# Altium PCB PCB1.PcbDoc (part 11 of 15) (continued)
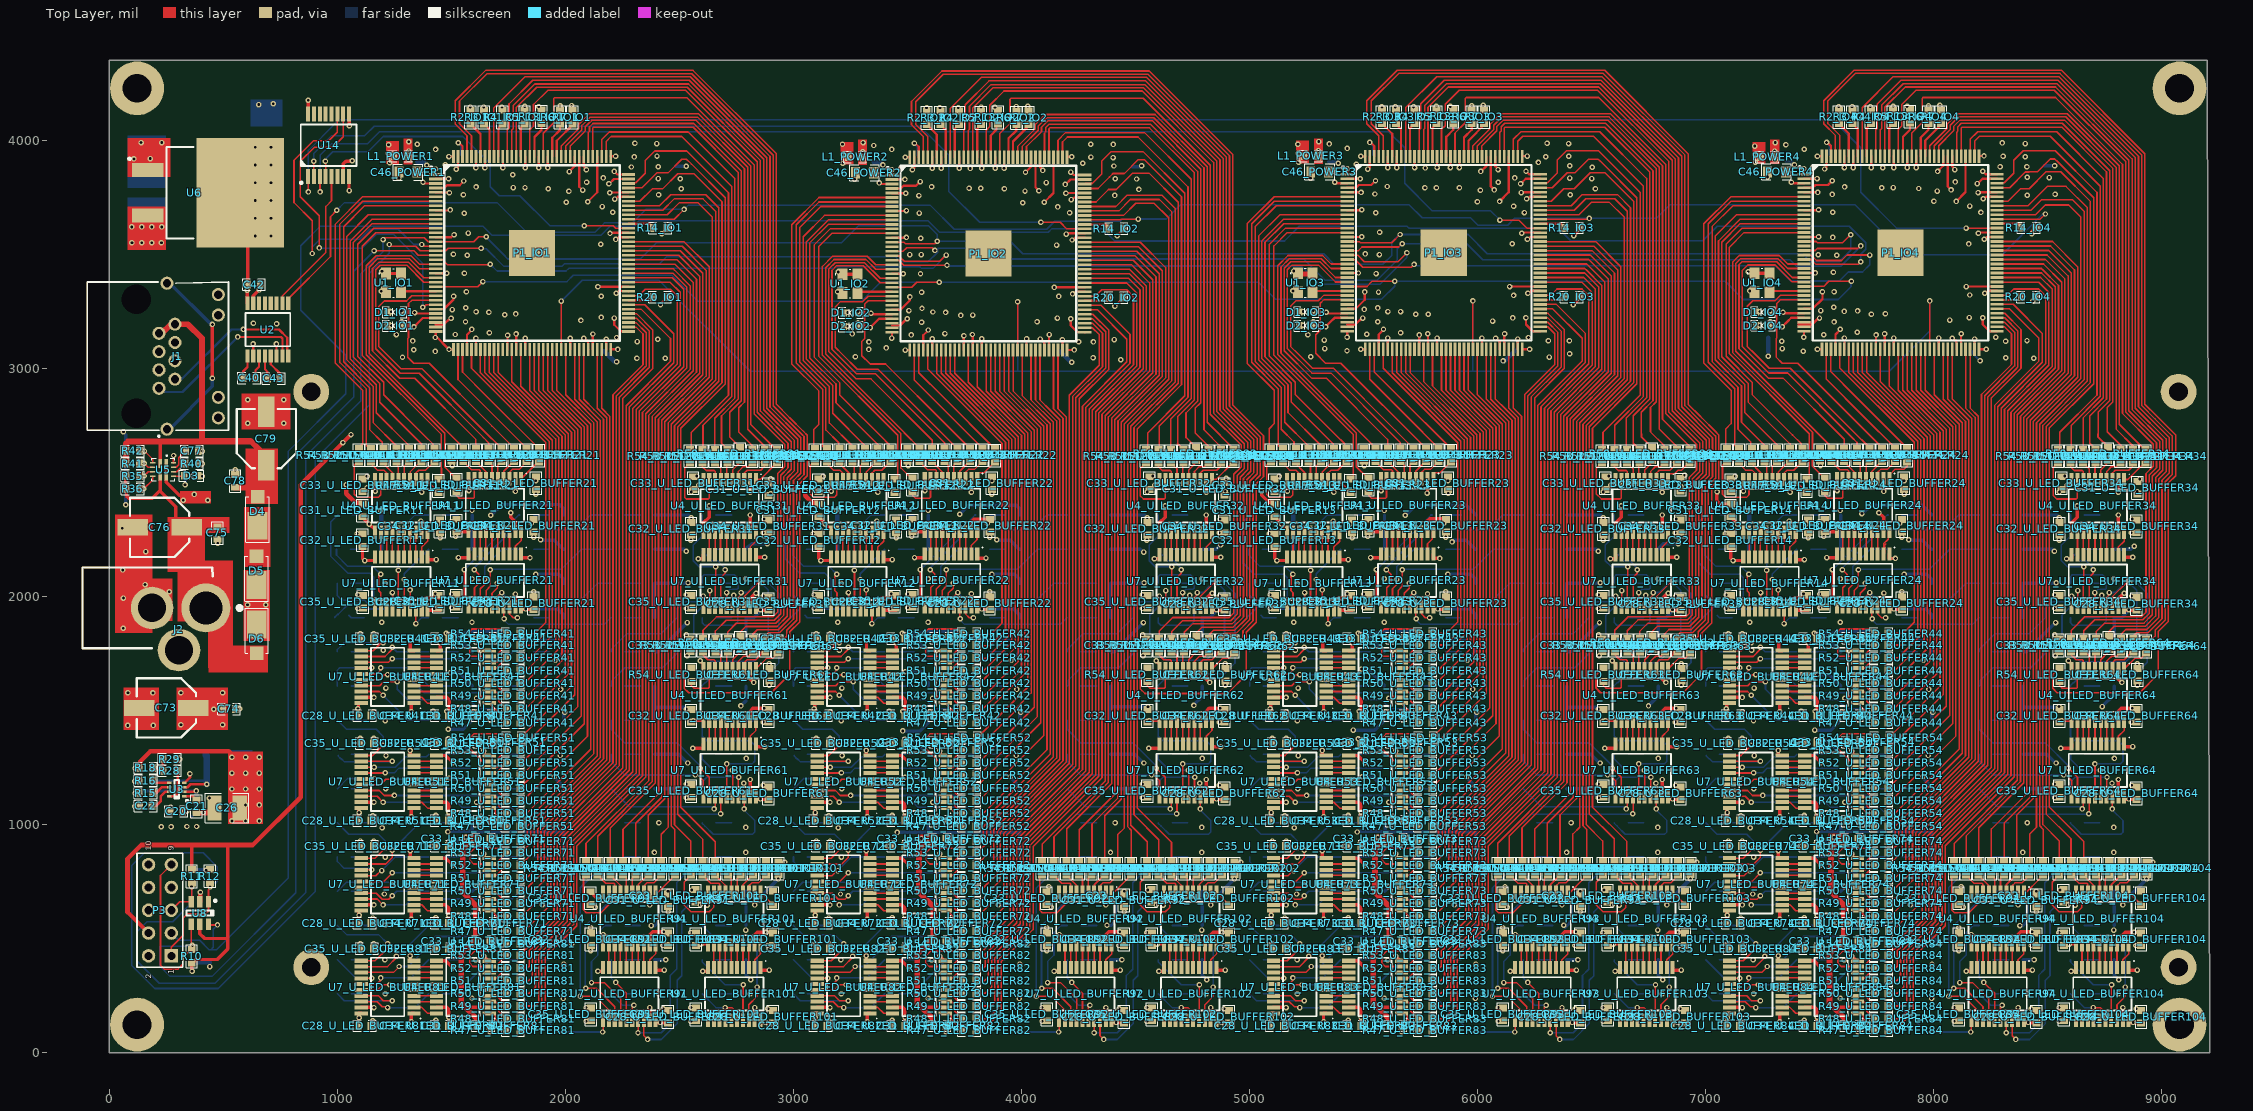
[diagram p0: Top Layer view]
## Nets (pads, with @x,y where several pads share a name; then routed paths per layer and width w, separated by ;. In a path a pad name is that pad's centre, name@x,y a point inside that pad or via, vN(x,y) a via of type N, cw(c..) or ccw(c..) an arc to the next point about the centre after c; other vN are vias at no path point) (continued)
  Top Layer w7: U4_U_LED_BUFFER73.9@5666.3,826.73 5597.61,826.73 5583.44,840.9 5583.44,878.16 5600.34,895.06 5632.5,895.06 5651.14,895.06 5708.52,895.06 5726.63,913.16 5729.13,913.16 5740.63,924.66 R54_U_LED_BUFFER73.1@5740.63,927.16
NetR54_U_LED_BUFFER74_1: R54_U_LED_BUFFER74.1 U4_U_LED_BUFFER74.9 | length 304.9
  Top Layer w7: U4_U_LED_BUFFER74.9@7666.3,826.73 7597.61,826.73 7583.44,840.9 7583.44,878.16 7600.34,895.06 7632.5,895.06 7651.14,895.06 7708.52,895.06 7726.63,913.16 7729.13,913.16 7740.63,924.66 R54_U_LED_BUFFER74.1@7740.63,927.16
NetR54_U_LED_BUFFER81_1: R54_U_LED_BUFFER81.1 U4_U_LED_BUFFER81.9 | length 306.9
  Top Layer w7: U4_U_LED_BUFFER81.9@1666.3,376.73 1665.87,377.16 1594.97,377.16 1581.13,391.01 1581.13,423.65 1602.54,445.06 1708.52,445.06 1726.63,463.16 1729.13,463.16 1740.63,474.66 R54_U_LED_BUFFER81.1@1740.63,477.16
NetR54_U_LED_BUFFER82_1: R54_U_LED_BUFFER82.1 U4_U_LED_BUFFER82.9 | length 306.9
  Top Layer w7: U4_U_LED_BUFFER82.9@3666.3,376.73 3665.87,377.16 3594.97,377.16 3581.13,391.01 3581.13,423.65 3602.54,445.06 3708.52,445.06 3726.63,463.16 3729.13,463.16 3740.63,474.66 R54_U_LED_BUFFER82.1@3740.63,477.16
NetR54_U_LED_BUFFER83_1: R54_U_LED_BUFFER83.1 U4_U_LED_BUFFER83.9 | length 306.9
  Top Layer w7: U4_U_LED_BUFFER83.9@5666.3,376.73 5665.87,377.16 5594.97,377.16 5581.13,391.01 5581.13,423.65 5602.54,445.06 5708.52,445.06 5726.63,463.16 5729.13,463.16 5740.63,474.66 R54_U_LED_BUFFER83.1@5740.63,477.16
NetR54_U_LED_BUFFER84_1: R54_U_LED_BUFFER84.1 U4_U_LED_BUFFER84.9 | length 306.9
  Top Layer w7: U4_U_LED_BUFFER84.9@7666.3,376.73 7665.87,377.16 7594.97,377.16 7581.13,391.01 7581.13,423.65 7602.54,445.06 7708.52,445.06 7726.63,463.16 7729.13,463.16 7740.63,474.66 R54_U_LED_BUFFER84.1@7740.63,477.16
NetR54_U_LED_BUFFER91_1: R54_U_LED_BUFFER91.1 U4_U_LED_BUFFER91.9 | length 342
  Top Layer w7: R54_U_LED_BUFFER91.1@2090.63,777.16 2079.68,766.22 2079.68,721.34 2079.68,625.19 2091.76,613.11 2155.95,613.11 2190.63,647.8 2190.63,702.4 U4_U_LED_BUFFER91.9@2191.06,702.83
NetR54_U_LED_BUFFER92_1: R54_U_LED_BUFFER92.1 U4_U_LED_BUFFER92.9 | length 342
  Top Layer w7: R54_U_LED_BUFFER92.1@4090.63,777.16 4079.68,766.22 4079.68,721.34 4079.68,625.19 4091.76,613.11 4155.95,613.11 4190.63,647.8 4190.63,702.4 U4_U_LED_BUFFER92.9@4191.06,702.83
NetR54_U_LED_BUFFER93_1: R54_U_LED_BUFFER93.1 U4_U_LED_BUFFER93.9 | length 342
  Top Layer w7: R54_U_LED_BUFFER93.1@6090.63,777.16 6079.68,766.22 6079.68,721.34 6079.68,625.19 6091.76,613.11 6155.95,613.11 6190.63,647.8 6190.63,702.4 U4_U_LED_BUFFER93.9@6191.06,702.83
NetR54_U_LED_BUFFER94_1: R54_U_LED_BUFFER94.1 U4_U_LED_BUFFER94.9 | length 342
  Top Layer w7: R54_U_LED_BUFFER94.1@8090.63,777.16 8079.68,766.22 8079.68,721.34 8079.68,625.19 8091.76,613.11 8155.95,613.11 8190.63,647.8 8190.63,702.4 U4_U_LED_BUFFER94.9@8191.06,702.83
NetR54_U_LED_BUFFER101_1: R54_U_LED_BUFFER101.1 U4_U_LED_BUFFER101.9 | length 359.5
  Top Layer w7: R54_U_LED_BUFFER101.1@2550.63,777.16 2520.63,747.16 2520.63,647.16 2550.63,617.16 2630.92,617.16 2650.1,636.35 2650.63,636.35 2650.63,702.4 U4_U_LED_BUFFER101.9@2651.06,702.83
NetR54_U_LED_BUFFER102_1: R54_U_LED_BUFFER102.1 U4_U_LED_BUFFER102.9 | length 359.5
  Top Layer w7: R54_U_LED_BUFFER102.1@4550.63,777.16 4520.63,747.16 4520.63,647.16 4550.63,617.16 4630.92,617.16 4650.1,636.35 4650.63,636.35 4650.63,702.4 U4_U_LED_BUFFER102.9@4651.06,702.83
NetR54_U_LED_BUFFER103_1: R54_U_LED_BUFFER103.1 U4_U_LED_BUFFER103.9 | length 359.5
  Top Layer w7: R54_U_LED_BUFFER103.1@6550.63,777.16 6520.63,747.16 6520.63,647.16 6550.63,617.16 6630.92,617.16 6650.1,636.35 6650.63,636.35 6650.63,702.4 U4_U_LED_BUFFER103.9@6651.06,702.83
NetR54_U_LED_BUFFER104_1: R54_U_LED_BUFFER104.1 U4_U_LED_BUFFER104.9 | length 359.5
  Top Layer w7: R54_U_LED_BUFFER104.1@8550.63,777.16 8520.63,747.16 8520.63,647.16 8550.63,617.16 8630.92,617.16 8650.1,636.35 8650.63,636.35 8650.63,702.4 U4_U_LED_BUFFER104.9@8651.06,702.83
NetU4_U_LED_BUFFER11_12: U4_U_LED_BUFFER11.12 U7_U_LED_BUFFER11.9 | length 98.7
  Top Layer w7: U7_U_LED_BUFFER11.9@1191.06,2182.83 U4_U_LED_BUFFER11.12@1191.06,2281.5
NetU4_U_LED_BUFFER11_13: U4_U_LED_BUFFER11.13 U7_U_LED_BUFFER11.8 | length 98.7
  Top Layer w7: U7_U_LED_BUFFER11.8@1216.66,2182.83 U4_U_LED_BUFFER11.13@1216.66,2281.5
NetU4_U_LED_BUFFER11_14: U4_U_LED_BUFFER11.14 U7_U_LED_BUFFER11.7 | length 98.7
  Top Layer w7: U7_U_LED_BUFFER11.7@1240.63,2178.5 U4_U_LED_BUFFER11.14@1240.63,2277.16
NetU4_U_LED_BUFFER11_15: U4_U_LED_BUFFER11.15 U7_U_LED_BUFFER11.6 | length 98.7
  Top Layer w7: U7_U_LED_BUFFER11.6@1267.84,2182.83 U4_U_LED_BUFFER11.15@1267.84,2281.5
NetU4_U_LED_BUFFER11_16: U4_U_LED_BUFFER11.16 U7_U_LED_BUFFER11.5 | length 98.7
  Top Layer w7: U7_U_LED_BUFFER11.5@1293.43,2182.83 U4_U_LED_BUFFER11.16@1293.43,2281.5
NetU4_U_LED_BUFFER11_17: U4_U_LED_BUFFER11.17 U7_U_LED_BUFFER11.4 | length 98.7
  Top Layer w7: U7_U_LED_BUFFER11.4@1319.02,2182.83 U4_U_LED_BUFFER11.17@1319.02,2281.5
NetU4_U_LED_BUFFER11_18: U4_U_LED_BUFFER11.18 U7_U_LED_BUFFER11.3 | length 98.7
  Top Layer w7: U7_U_LED_BUFFER11.3@1344.61,2182.83 U4_U_LED_BUFFER11.18@1344.61,2281.5
NetU4_U_LED_BUFFER11_20: U4_U_LED_BUFFER11.20 U7_U_LED_BUFFER11.2 | length 109.3
  Top Layer w7: U7_U_LED_BUFFER11.2@1370.2,2182.83 1370.2,2216.73 1395.79,2242.32 U4_U_LED_BUFFER11.20@1395.79,2281.5
NetU4_U_LED_BUFFER12_12: U4_U_LED_BUFFER12.12 U7_U_LED_BUFFER12.9 | length 98.7
  Top Layer w7: U7_U_LED_BUFFER12.9@3191.06,2182.83 U4_U_LED_BUFFER12.12@3191.06,2281.5
NetU4_U_LED_BUFFER12_13: U4_U_LED_BUFFER12.13 U7_U_LED_BUFFER12.8 | length 98.7
  Top Layer w7: U7_U_LED_BUFFER12.8@3216.66,2182.83 U4_U_LED_BUFFER12.13@3216.66,2281.5
NetU4_U_LED_BUFFER12_14: U4_U_LED_BUFFER12.14 U7_U_LED_BUFFER12.7 | length 98.7
  Top Layer w7: U7_U_LED_BUFFER12.7@3240.63,2178.5 U4_U_LED_BUFFER12.14@3240.63,2277.16
NetU4_U_LED_BUFFER12_15: U4_U_LED_BUFFER12.15 U7_U_LED_BUFFER12.6 | length 98.7
  Top Layer w7: U7_U_LED_BUFFER12.6@3267.84,2182.83 U4_U_LED_BUFFER12.15@3267.84,2281.5
NetU4_U_LED_BUFFER12_16: U4_U_LED_BUFFER12.16 U7_U_LED_BUFFER12.5 | length 98.7
  Top Layer w7: U7_U_LED_BUFFER12.5@3293.43,2182.83 U4_U_LED_BUFFER12.16@3293.43,2281.5
NetU4_U_LED_BUFFER12_17: U4_U_LED_BUFFER12.17 U7_U_LED_BUFFER12.4 | length 98.7
  Top Layer w7: U7_U_LED_BUFFER12.4@3319.02,2182.83 U4_U_LED_BUFFER12.17@3319.02,2281.5
NetU4_U_LED_BUFFER12_18: U4_U_LED_BUFFER12.18 U7_U_LED_BUFFER12.3 | length 98.7
  Top Layer w7: U7_U_LED_BUFFER12.3@3344.61,2182.83 U4_U_LED_BUFFER12.18@3344.61,2281.5
NetU4_U_LED_BUFFER12_20: U4_U_LED_BUFFER12.20 U7_U_LED_BUFFER12.2 | length 109.3
  Top Layer w7: U7_U_LED_BUFFER12.2@3370.2,2182.83 3370.2,2216.73 3395.79,2242.32 U4_U_LED_BUFFER12.20@3395.79,2281.5
NetU4_U_LED_BUFFER13_12: U4_U_LED_BUFFER13.12 U7_U_LED_BUFFER13.9 | length 98.7
  Top Layer w7: U7_U_LED_BUFFER13.9@5191.06,2182.83 U4_U_LED_BUFFER13.12@5191.06,2281.5
NetU4_U_LED_BUFFER13_13: U4_U_LED_BUFFER13.13 U7_U_LED_BUFFER13.8 | length 98.7
  Top Layer w7: U7_U_LED_BUFFER13.8@5216.66,2182.83 U4_U_LED_BUFFER13.13@5216.66,2281.5
NetU4_U_LED_BUFFER13_14: U4_U_LED_BUFFER13.14 U7_U_LED_BUFFER13.7 | length 98.7
  Top Layer w7: U7_U_LED_BUFFER13.7@5240.63,2178.5 U4_U_LED_BUFFER13.14@5240.63,2277.16
NetU4_U_LED_BUFFER13_15: U4_U_LED_BUFFER13.15 U7_U_LED_BUFFER13.6 | length 98.7
  Top Layer w7: U7_U_LED_BUFFER13.6@5267.84,2182.83 U4_U_LED_BUFFER13.15@5267.84,2281.5
NetU4_U_LED_BUFFER13_16: U4_U_LED_BUFFER13.16 U7_U_LED_BUFFER13.5 | length 98.7
  Top Layer w7: U7_U_LED_BUFFER13.5@5293.43,2182.83 U4_U_LED_BUFFER13.16@5293.43,2281.5
NetU4_U_LED_BUFFER13_17: U4_U_LED_BUFFER13.17 U7_U_LED_BUFFER13.4 | length 98.7
  Top Layer w7: U7_U_LED_BUFFER13.4@5319.02,2182.83 U4_U_LED_BUFFER13.17@5319.02,2281.5
NetU4_U_LED_BUFFER13_18: U4_U_LED_BUFFER13.18 U7_U_LED_BUFFER13.3 | length 98.7
  Top Layer w7: U7_U_LED_BUFFER13.3@5344.61,2182.83 U4_U_LED_BUFFER13.18@5344.61,2281.5
NetU4_U_LED_BUFFER13_20: U4_U_LED_BUFFER13.20 U7_U_LED_BUFFER13.2 | length 109.3
  Top Layer w7: U7_U_LED_BUFFER13.2@5370.2,2182.83 5370.2,2216.73 5395.79,2242.32 U4_U_LED_BUFFER13.20@5395.79,2281.5
NetU4_U_LED_BUFFER14_12: U4_U_LED_BUFFER14.12 U7_U_LED_BUFFER14.9 | length 98.7
  Top Layer w7: U7_U_LED_BUFFER14.9@7191.06,2182.83 U4_U_LED_BUFFER14.12@7191.06,2281.5
NetU4_U_LED_BUFFER14_13: U4_U_LED_BUFFER14.13 U7_U_LED_BUFFER14.8 | length 98.7
  Top Layer w7: U7_U_LED_BUFFER14.8@7216.66,2182.83 U4_U_LED_BUFFER14.13@7216.66,2281.5
NetU4_U_LED_BUFFER14_14: U4_U_LED_BUFFER14.14 U7_U_LED_BUFFER14.7 | length 98.7
  Top Layer w7: U7_U_LED_BUFFER14.7@7240.63,2178.5 U4_U_LED_BUFFER14.14@7240.63,2277.16
NetU4_U_LED_BUFFER14_15: U4_U_LED_BUFFER14.15 U7_U_LED_BUFFER14.6 | length 98.7
  Top Layer w7: U7_U_LED_BUFFER14.6@7267.84,2182.83 U4_U_LED_BUFFER14.15@7267.84,2281.5
NetU4_U_LED_BUFFER14_16: U4_U_LED_BUFFER14.16 U7_U_LED_BUFFER14.5 | length 98.7
  Top Layer w7: U7_U_LED_BUFFER14.5@7293.43,2182.83 U4_U_LED_BUFFER14.16@7293.43,2281.5
NetU4_U_LED_BUFFER14_17: U4_U_LED_BUFFER14.17 U7_U_LED_BUFFER14.4 | length 98.7
  Top Layer w7: U7_U_LED_BUFFER14.4@7319.02,2182.83 U4_U_LED_BUFFER14.17@7319.02,2281.5
NetU4_U_LED_BUFFER14_18: U4_U_LED_BUFFER14.18 U7_U_LED_BUFFER14.3 | length 98.7
  Top Layer w7: U7_U_LED_BUFFER14.3@7344.61,2182.83 U4_U_LED_BUFFER14.18@7344.61,2281.5
NetU4_U_LED_BUFFER14_20: U4_U_LED_BUFFER14.20 U7_U_LED_BUFFER14.2 | length 109.3
  Top Layer w7: U7_U_LED_BUFFER14.2@7370.2,2182.83 7370.2,2216.73 7395.79,2242.32 U4_U_LED_BUFFER14.20@7395.79,2281.5
NetU4_U_LED_BUFFER21_12: U4_U_LED_BUFFER21.12 U7_U_LED_BUFFER21.9 | length 98.7
  Top Layer w7: U7_U_LED_BUFFER21.9@1601.66,2186.17 U4_U_LED_BUFFER21.12@1601.66,2284.83
NetU4_U_LED_BUFFER21_13: U4_U_LED_BUFFER21.13 U7_U_LED_BUFFER21.8 | length 98.7
  Top Layer w7: U7_U_LED_BUFFER21.8@1627.25,2186.17 U4_U_LED_BUFFER21.13@1627.25,2284.83
NetU4_U_LED_BUFFER21_14: U4_U_LED_BUFFER21.14 U7_U_LED_BUFFER21.7 | length 98.7
  Top Layer w7: U7_U_LED_BUFFER21.7@1651.23,2181.84 U4_U_LED_BUFFER21.14@1651.23,2280.5
NetU4_U_LED_BUFFER21_15: U4_U_LED_BUFFER21.15 U7_U_LED_BUFFER21.6 | length 98.7
  Top Layer w7: U7_U_LED_BUFFER21.6@1678.43,2186.17 U4_U_LED_BUFFER21.15@1678.43,2284.83
NetU4_U_LED_BUFFER21_16: U4_U_LED_BUFFER21.16 U7_U_LED_BUFFER21.5 | length 98.7
  Top Layer w7: U7_U_LED_BUFFER21.5@1704.02,2186.17 U4_U_LED_BUFFER21.16@1704.02,2284.83
NetU4_U_LED_BUFFER21_17: U4_U_LED_BUFFER21.17 U7_U_LED_BUFFER21.4 | length 98.7
  Top Layer w7: U7_U_LED_BUFFER21.4@1729.61,2186.17 U4_U_LED_BUFFER21.17@1729.61,2284.83
NetU4_U_LED_BUFFER21_18: U4_U_LED_BUFFER21.18 U7_U_LED_BUFFER21.3 | length 98.7
  Top Layer w7: U7_U_LED_BUFFER21.3@1755.2,2186.17 U4_U_LED_BUFFER21.18@1755.2,2284.83
NetU4_U_LED_BUFFER21_20: U4_U_LED_BUFFER21.20 U7_U_LED_BUFFER21.2 | length 109.3
  Top Layer w7: U7_U_LED_BUFFER21.2@1780.79,2186.17 1780.79,2220.07 1806.39,2245.66 U4_U_LED_BUFFER21.20@1806.39,2284.83
NetU4_U_LED_BUFFER22_12: U4_U_LED_BUFFER22.12 U7_U_LED_BUFFER22.9 | length 98.7
  Top Layer w7: U7_U_LED_BUFFER22.9@3601.66,2186.17 U4_U_LED_BUFFER22.12@3601.66,2284.83
NetU4_U_LED_BUFFER22_13: U4_U_LED_BUFFER22.13 U7_U_LED_BUFFER22.8 | length 98.7
  Top Layer w7: U7_U_LED_BUFFER22.8@3627.25,2186.17 U4_U_LED_BUFFER22.13@3627.25,2284.83
NetU4_U_LED_BUFFER22_14: U4_U_LED_BUFFER22.14 U7_U_LED_BUFFER22.7 | length 98.7
  Top Layer w7: U7_U_LED_BUFFER22.7@3651.23,2181.84 U4_U_LED_BUFFER22.14@3651.23,2280.5
NetU4_U_LED_BUFFER22_15: U4_U_LED_BUFFER22.15 U7_U_LED_BUFFER22.6 | length 98.7
  Top Layer w7: U7_U_LED_BUFFER22.6@3678.43,2186.17 U4_U_LED_BUFFER22.15@3678.43,2284.83
NetU4_U_LED_BUFFER22_16: U4_U_LED_BUFFER22.16 U7_U_LED_BUFFER22.5 | length 98.7
  Top Layer w7: U7_U_LED_BUFFER22.5@3704.02,2186.17 U4_U_LED_BUFFER22.16@3704.02,2284.83
NetU4_U_LED_BUFFER22_17: U4_U_LED_BUFFER22.17 U7_U_LED_BUFFER22.4 | length 98.7
  Top Layer w7: U7_U_LED_BUFFER22.4@3729.61,2186.17 U4_U_LED_BUFFER22.17@3729.61,2284.83
NetU4_U_LED_BUFFER22_18: U4_U_LED_BUFFER22.18 U7_U_LED_BUFFER22.3 | length 98.7
  Top Layer w7: U7_U_LED_BUFFER22.3@3755.2,2186.17 U4_U_LED_BUFFER22.18@3755.2,2284.83
NetU4_U_LED_BUFFER22_20: U4_U_LED_BUFFER22.20 U7_U_LED_BUFFER22.2 | length 109.3
  Top Layer w7: U7_U_LED_BUFFER22.2@3780.79,2186.17 3780.79,2224.49 3805.3,2248.99 3805.3,2283.75 U4_U_LED_BUFFER22.20@3806.39,2284.83
NetU4_U_LED_BUFFER23_12: U4_U_LED_BUFFER23.12 U7_U_LED_BUFFER23.9 | length 98.7
  Top Layer w7: U7_U_LED_BUFFER23.9@5601.66,2186.17 U4_U_LED_BUFFER23.12@5601.66,2284.83
NetU4_U_LED_BUFFER23_13: U4_U_LED_BUFFER23.13 U7_U_LED_BUFFER23.8 | length 98.7
  Top Layer w7: U7_U_LED_BUFFER23.8@5627.25,2186.17 U4_U_LED_BUFFER23.13@5627.25,2284.83
NetU4_U_LED_BUFFER23_14: U4_U_LED_BUFFER23.14 U7_U_LED_BUFFER23.7 | length 98.7
  Top Layer w7: U7_U_LED_BUFFER23.7@5651.23,2181.84 U4_U_LED_BUFFER23.14@5651.23,2280.5
NetU4_U_LED_BUFFER23_15: U4_U_LED_BUFFER23.15 U7_U_LED_BUFFER23.6 | length 98.7
  Top Layer w7: U7_U_LED_BUFFER23.6@5678.43,2186.17 U4_U_LED_BUFFER23.15@5678.43,2284.83
NetU4_U_LED_BUFFER23_16: U4_U_LED_BUFFER23.16 U7_U_LED_BUFFER23.5 | length 98.7
  Top Layer w7: U7_U_LED_BUFFER23.5@5704.02,2186.17 U4_U_LED_BUFFER23.16@5704.02,2284.83
NetU4_U_LED_BUFFER23_17: U4_U_LED_BUFFER23.17 U7_U_LED_BUFFER23.4 | length 98.7
  Top Layer w7: U7_U_LED_BUFFER23.4@5729.61,2186.17 U4_U_LED_BUFFER23.17@5729.61,2284.83
NetU4_U_LED_BUFFER23_18: U4_U_LED_BUFFER23.18 U7_U_LED_BUFFER23.3 | length 98.7
  Top Layer w7: U7_U_LED_BUFFER23.3@5755.2,2186.17 U4_U_LED_BUFFER23.18@5755.2,2284.83
NetU4_U_LED_BUFFER23_20: U4_U_LED_BUFFER23.20 U7_U_LED_BUFFER23.2 | length 109.3
  Top Layer w7: U7_U_LED_BUFFER23.2@5780.79,2186.17 5780.79,2230.79 5801.03,2251.03 5801.03,2279.48 U4_U_LED_BUFFER23.20@5806.39,2284.83
NetU4_U_LED_BUFFER24_12: U4_U_LED_BUFFER24.12 U7_U_LED_BUFFER24.9 | length 98.7
  Top Layer w7: U7_U_LED_BUFFER24.9@7601.66,2186.17 U4_U_LED_BUFFER24.12@7601.66,2284.83
NetU4_U_LED_BUFFER24_13: U4_U_LED_BUFFER24.13 U7_U_LED_BUFFER24.8 | length 98.7
  Top Layer w7: U7_U_LED_BUFFER24.8@7627.25,2186.17 U4_U_LED_BUFFER24.13@7627.25,2284.83
NetU4_U_LED_BUFFER24_14: U4_U_LED_BUFFER24.14 U7_U_LED_BUFFER24.7 | length 98.7
  Top Layer w7: U7_U_LED_BUFFER24.7@7651.23,2181.84 U4_U_LED_BUFFER24.14@7651.23,2280.5
NetU4_U_LED_BUFFER24_15: U4_U_LED_BUFFER24.15 U7_U_LED_BUFFER24.6 | length 98.7
  Top Layer w7: U7_U_LED_BUFFER24.6@7678.43,2186.17 U4_U_LED_BUFFER24.15@7678.43,2284.83
NetU4_U_LED_BUFFER24_16: U4_U_LED_BUFFER24.16 U7_U_LED_BUFFER24.5 | length 98.7
  Top Layer w7: U7_U_LED_BUFFER24.5@7704.02,2186.17 U4_U_LED_BUFFER24.16@7704.02,2284.83
NetU4_U_LED_BUFFER24_17: U4_U_LED_BUFFER24.17 U7_U_LED_BUFFER24.4 | length 98.7
  Top Layer w7: U7_U_LED_BUFFER24.4@7729.61,2186.17 U4_U_LED_BUFFER24.17@7729.61,2284.83
NetU4_U_LED_BUFFER24_18: U4_U_LED_BUFFER24.18 U7_U_LED_BUFFER24.3 | length 98.7
  Top Layer w7: U7_U_LED_BUFFER24.3@7755.2,2186.17 U4_U_LED_BUFFER24.18@7755.2,2284.83
NetU4_U_LED_BUFFER24_20: U4_U_LED_BUFFER24.20 U7_U_LED_BUFFER24.2 | length 156.9
  Top Layer w7: 7790,2230 7785.71,2225.71 7785.71,2191.09 U7_U_LED_BUFFER24.2@7780.79,2186.17 7780.79,2230.79 7801.03,2251.03 7801.03,2279.48 U4_U_LED_BUFFER24.20@7806.39,2284.83
NetU4_U_LED_BUFFER31_12: U4_U_LED_BUFFER31.12 U7_U_LED_BUFFER31.9 | length 98.7
  Top Layer w7: U7_U_LED_BUFFER31.9@2631.06,2182.83 U4_U_LED_BUFFER31.12@2631.06,2281.5
NetU4_U_LED_BUFFER31_13: U4_U_LED_BUFFER31.13 U7_U_LED_BUFFER31.8 | length 98.7
  Top Layer w7: U7_U_LED_BUFFER31.8@2656.66,2182.83 U4_U_LED_BUFFER31.13@2656.66,2281.5
NetU4_U_LED_BUFFER31_14: U4_U_LED_BUFFER31.14 U7_U_LED_BUFFER31.7 | length 98.7
  Top Layer w7: U7_U_LED_BUFFER31.7@2680.63,2178.5 U4_U_LED_BUFFER31.14@2680.63,2277.16
NetU4_U_LED_BUFFER31_15: U4_U_LED_BUFFER31.15 U7_U_LED_BUFFER31.6 | length 98.7
  Top Layer w7: U7_U_LED_BUFFER31.6@2707.84,2182.83 U4_U_LED_BUFFER31.15@2707.84,2281.5
NetU4_U_LED_BUFFER31_16: U4_U_LED_BUFFER31.16 U7_U_LED_BUFFER31.5 | length 98.7
  Top Layer w7: U7_U_LED_BUFFER31.5@2733.43,2182.83 U4_U_LED_BUFFER31.16@2733.43,2281.5
NetU4_U_LED_BUFFER31_17: U4_U_LED_BUFFER31.17 U7_U_LED_BUFFER31.4 | length 98.7
  Top Layer w7: U7_U_LED_BUFFER31.4@2759.02,2182.83 U4_U_LED_BUFFER31.17@2759.02,2281.5
NetU4_U_LED_BUFFER31_18: U4_U_LED_BUFFER31.18 U7_U_LED_BUFFER31.3 | length 98.7
  Top Layer w7: U7_U_LED_BUFFER31.3@2784.61,2182.83 U4_U_LED_BUFFER31.18@2784.61,2281.5
NetU4_U_LED_BUFFER31_20: U4_U_LED_BUFFER31.20 U7_U_LED_BUFFER31.2 | length 109.3
  Top Layer w7: U7_U_LED_BUFFER31.2@2810.2,2182.83 2810.2,2216.73 2835.79,2242.32 U4_U_LED_BUFFER31.20@2835.79,2281.5
NetU4_U_LED_BUFFER32_12: U4_U_LED_BUFFER32.12 U7_U_LED_BUFFER32.9 | length 98.7
  Top Layer w7: U7_U_LED_BUFFER32.9@4631.06,2182.83 U4_U_LED_BUFFER32.12@4631.06,2281.5
NetU4_U_LED_BUFFER32_13: U4_U_LED_BUFFER32.13 U7_U_LED_BUFFER32.8 | length 98.7
  Top Layer w7: U7_U_LED_BUFFER32.8@4656.66,2182.83 U4_U_LED_BUFFER32.13@4656.66,2281.5
NetU4_U_LED_BUFFER32_14: U4_U_LED_BUFFER32.14 U7_U_LED_BUFFER32.7 | length 98.7
  Top Layer w7: U7_U_LED_BUFFER32.7@4680.63,2178.5 U4_U_LED_BUFFER32.14@4680.63,2277.16
NetU4_U_LED_BUFFER32_15: U4_U_LED_BUFFER32.15 U7_U_LED_BUFFER32.6 | length 98.7
  Top Layer w7: U7_U_LED_BUFFER32.6@4707.84,2182.83 U4_U_LED_BUFFER32.15@4707.84,2281.5
NetU4_U_LED_BUFFER32_16: U4_U_LED_BUFFER32.16 U7_U_LED_BUFFER32.5 | length 98.7
  Top Layer w7: U7_U_LED_BUFFER32.5@4733.43,2182.83 U4_U_LED_BUFFER32.16@4733.43,2281.5
NetU4_U_LED_BUFFER32_17: U4_U_LED_BUFFER32.17 U7_U_LED_BUFFER32.4 | length 98.7
  Top Layer w7: U7_U_LED_BUFFER32.4@4759.02,2182.83 U4_U_LED_BUFFER32.17@4759.02,2281.5
NetU4_U_LED_BUFFER32_18: U4_U_LED_BUFFER32.18 U7_U_LED_BUFFER32.3 | length 98.7
  Top Layer w7: U7_U_LED_BUFFER32.3@4784.61,2182.83 U4_U_LED_BUFFER32.18@4784.61,2281.5
NetU4_U_LED_BUFFER32_20: U4_U_LED_BUFFER32.20 U7_U_LED_BUFFER32.2 | length 109.3
  Top Layer w7: U7_U_LED_BUFFER32.2@4810.2,2182.83 4810.2,2216.73 4835.79,2242.32 U4_U_LED_BUFFER32.20@4835.79,2281.5
NetU4_U_LED_BUFFER33_12: U4_U_LED_BUFFER33.12 U7_U_LED_BUFFER33.9 | length 98.7
  Top Layer w7: U7_U_LED_BUFFER33.9@6631.06,2182.83 U4_U_LED_BUFFER33.12@6631.06,2281.5
NetU4_U_LED_BUFFER33_13: U4_U_LED_BUFFER33.13 U7_U_LED_BUFFER33.8 | length 98.7
  Top Layer w7: U7_U_LED_BUFFER33.8@6656.66,2182.83 U4_U_LED_BUFFER33.13@6656.66,2281.5
NetU4_U_LED_BUFFER33_14: U4_U_LED_BUFFER33.14 U7_U_LED_BUFFER33.7 | length 98.7
  Top Layer w7: U7_U_LED_BUFFER33.7@6680.63,2178.5 U4_U_LED_BUFFER33.14@6680.63,2277.16
NetU4_U_LED_BUFFER33_15: U4_U_LED_BUFFER33.15 U7_U_LED_BUFFER33.6 | length 98.7
  Top Layer w7: U7_U_LED_BUFFER33.6@6707.84,2182.83 U4_U_LED_BUFFER33.15@6707.84,2281.5
NetU4_U_LED_BUFFER33_16: U4_U_LED_BUFFER33.16 U7_U_LED_BUFFER33.5 | length 98.7
  Top Layer w7: U7_U_LED_BUFFER33.5@6733.43,2182.83 U4_U_LED_BUFFER33.16@6733.43,2281.5
NetU4_U_LED_BUFFER33_17: U4_U_LED_BUFFER33.17 U7_U_LED_BUFFER33.4 | length 98.7
  Top Layer w7: U7_U_LED_BUFFER33.4@6759.02,2182.83 U4_U_LED_BUFFER33.17@6759.02,2281.5
NetU4_U_LED_BUFFER33_18: U4_U_LED_BUFFER33.18 U7_U_LED_BUFFER33.3 | length 98.7
  Top Layer w7: U7_U_LED_BUFFER33.3@6784.61,2182.83 U4_U_LED_BUFFER33.18@6784.61,2281.5
NetU4_U_LED_BUFFER33_20: U4_U_LED_BUFFER33.20 U7_U_LED_BUFFER33.2 | length 109.3
  Top Layer w7: U7_U_LED_BUFFER33.2@6810.2,2182.83 6810.2,2216.73 6835.79,2242.32 U4_U_LED_BUFFER33.20@6835.79,2281.5
NetU4_U_LED_BUFFER34_12: U4_U_LED_BUFFER34.12 U7_U_LED_BUFFER34.9 | length 98.7
  Top Layer w7: U7_U_LED_BUFFER34.9@8631.06,2182.83 U4_U_LED_BUFFER34.12@8631.06,2281.5
NetU4_U_LED_BUFFER34_13: U4_U_LED_BUFFER34.13 U7_U_LED_BUFFER34.8 | length 98.7
  Top Layer w7: U7_U_LED_BUFFER34.8@8656.66,2182.83 U4_U_LED_BUFFER34.13@8656.66,2281.5
NetU4_U_LED_BUFFER34_14: U4_U_LED_BUFFER34.14 U7_U_LED_BUFFER34.7 | length 98.7
  Top Layer w7: U7_U_LED_BUFFER34.7@8680.63,2178.5 U4_U_LED_BUFFER34.14@8680.63,2277.16
NetU4_U_LED_BUFFER34_15: U4_U_LED_BUFFER34.15 U7_U_LED_BUFFER34.6 | length 98.7
  Top Layer w7: U7_U_LED_BUFFER34.6@8707.84,2182.83 U4_U_LED_BUFFER34.15@8707.84,2281.5
NetU4_U_LED_BUFFER34_16: U4_U_LED_BUFFER34.16 U7_U_LED_BUFFER34.5 | length 98.7
  Top Layer w7: U7_U_LED_BUFFER34.5@8733.43,2182.83 U4_U_LED_BUFFER34.16@8733.43,2281.5
NetU4_U_LED_BUFFER34_17: U4_U_LED_BUFFER34.17 U7_U_LED_BUFFER34.4 | length 98.7
  Top Layer w7: U7_U_LED_BUFFER34.4@8759.02,2182.83 U4_U_LED_BUFFER34.17@8759.02,2281.5
NetU4_U_LED_BUFFER34_18: U4_U_LED_BUFFER34.18 U7_U_LED_BUFFER34.3 | length 98.7
  Top Layer w7: U7_U_LED_BUFFER34.3@8784.61,2182.83 U4_U_LED_BUFFER34.18@8784.61,2281.5
NetU4_U_LED_BUFFER34_20: U4_U_LED_BUFFER34.20 U7_U_LED_BUFFER34.2 | length 109.3
  Top Layer w7: U7_U_LED_BUFFER34.2@8810.2,2182.83 8810.2,2216.73 8835.79,2242.32 U4_U_LED_BUFFER34.20@8835.79,2281.5
NetU4_U_LED_BUFFER41_12: U4_U_LED_BUFFER41.12 U7_U_LED_BUFFER41.9 | length 98.7
  Top Layer w7: U7_U_LED_BUFFER41.9@1336.3,1736.73 U4_U_LED_BUFFER41.12@1434.96,1736.73
NetU4_U_LED_BUFFER41_13: U4_U_LED_BUFFER41.13 U7_U_LED_BUFFER41.8 | length 98.7
  Top Layer w7: U7_U_LED_BUFFER41.8@1336.3,1711.14 U4_U_LED_BUFFER41.13@1434.96,1711.14
NetU4_U_LED_BUFFER41_14: U4_U_LED_BUFFER41.14 U7_U_LED_BUFFER41.7 | length 98.7
  Top Layer w7: U7_U_LED_BUFFER41.7@1331.97,1687.16 U4_U_LED_BUFFER41.14@1430.63,1687.16
NetU4_U_LED_BUFFER41_15: U4_U_LED_BUFFER41.15 U7_U_LED_BUFFER41.6 | length 98.7
  Top Layer w7: U7_U_LED_BUFFER41.6@1336.3,1659.96 U4_U_LED_BUFFER41.15@1434.96,1659.96
NetU4_U_LED_BUFFER41_16: U4_U_LED_BUFFER41.16 U7_U_LED_BUFFER41.5 | length 98.7
  Top Layer w7: U7_U_LED_BUFFER41.5@1336.3,1634.37 U4_U_LED_BUFFER41.16@1434.96,1634.37
NetU4_U_LED_BUFFER41_17: U4_U_LED_BUFFER41.17 U7_U_LED_BUFFER41.4 | length 98.7
  Top Layer w7: U7_U_LED_BUFFER41.4@1336.3,1608.78 U4_U_LED_BUFFER41.17@1434.96,1608.78
NetU4_U_LED_BUFFER41_18: U4_U_LED_BUFFER41.18 U7_U_LED_BUFFER41.3 | length 98.7
  Top Layer w7: U7_U_LED_BUFFER41.3@1336.3,1583.19 U4_U_LED_BUFFER41.18@1434.96,1583.19
NetU4_U_LED_BUFFER41_20: U4_U_LED_BUFFER41.20 U7_U_LED_BUFFER41.2 | length 109.3
  Top Layer w7: U7_U_LED_BUFFER41.2@1336.3,1557.6 1370.2,1557.6 1395.79,1532.01 U4_U_LED_BUFFER41.20@1434.96,1532.01
NetU4_U_LED_BUFFER42_12: U4_U_LED_BUFFER42.12 U7_U_LED_BUFFER42.9 | length 98.7
  Top Layer w7: U7_U_LED_BUFFER42.9@3336.3,1736.73 U4_U_LED_BUFFER42.12@3434.96,1736.73
NetU4_U_LED_BUFFER42_13: U4_U_LED_BUFFER42.13 U7_U_LED_BUFFER42.8 | length 98.7
  Top Layer w7: U7_U_LED_BUFFER42.8@3336.3,1711.14 U4_U_LED_BUFFER42.13@3434.96,1711.14
NetU4_U_LED_BUFFER42_14: U4_U_LED_BUFFER42.14 U7_U_LED_BUFFER42.7 | length 98.7
  Top Layer w7: U7_U_LED_BUFFER42.7@3331.97,1687.16 U4_U_LED_BUFFER42.14@3430.63,1687.16
NetU4_U_LED_BUFFER42_15: U4_U_LED_BUFFER42.15 U7_U_LED_BUFFER42.6 | length 98.7
  Top Layer w7: U7_U_LED_BUFFER42.6@3336.3,1659.96 U4_U_LED_BUFFER42.15@3434.96,1659.96
NetU4_U_LED_BUFFER42_16: U4_U_LED_BUFFER42.16 U7_U_LED_BUFFER42.5 | length 98.7
  Top Layer w7: U7_U_LED_BUFFER42.5@3336.3,1634.37 U4_U_LED_BUFFER42.16@3434.96,1634.37
NetU4_U_LED_BUFFER42_17: U4_U_LED_BUFFER42.17 U7_U_LED_BUFFER42.4 | length 98.7
  Top Layer w7: U7_U_LED_BUFFER42.4@3336.3,1608.78 U4_U_LED_BUFFER42.17@3434.96,1608.78
NetU4_U_LED_BUFFER42_18: U4_U_LED_BUFFER42.18 U7_U_LED_BUFFER42.3 | length 98.7
  Top Layer w7: U7_U_LED_BUFFER42.3@3336.3,1583.19 U4_U_LED_BUFFER42.18@3434.96,1583.19
NetU4_U_LED_BUFFER42_20: U4_U_LED_BUFFER42.20 U7_U_LED_BUFFER42.2 | length 109.3
  Top Layer w7: U7_U_LED_BUFFER42.2@3336.3,1557.6 3370.2,1557.6 3395.79,1532.01 U4_U_LED_BUFFER42.20@3434.96,1532.01
NetU4_U_LED_BUFFER43_12: U4_U_LED_BUFFER43.12 U7_U_LED_BUFFER43.9 | length 98.7
  Top Layer w7: U7_U_LED_BUFFER43.9@5336.3,1736.73 U4_U_LED_BUFFER43.12@5434.96,1736.73
NetU4_U_LED_BUFFER43_13: U4_U_LED_BUFFER43.13 U7_U_LED_BUFFER43.8 | length 98.7
  Top Layer w7: U7_U_LED_BUFFER43.8@5336.3,1711.14 U4_U_LED_BUFFER43.13@5434.96,1711.14
NetU4_U_LED_BUFFER43_14: U4_U_LED_BUFFER43.14 U7_U_LED_BUFFER43.7 | length 98.7
  Top Layer w7: U7_U_LED_BUFFER43.7@5331.97,1687.16 U4_U_LED_BUFFER43.14@5430.63,1687.16
NetU4_U_LED_BUFFER43_15: U4_U_LED_BUFFER43.15 U7_U_LED_BUFFER43.6 | length 98.7
  Top Layer w7: U7_U_LED_BUFFER43.6@5336.3,1659.96 U4_U_LED_BUFFER43.15@5434.96,1659.96
NetU4_U_LED_BUFFER43_16: U4_U_LED_BUFFER43.16 U7_U_LED_BUFFER43.5 | length 98.7
  Top Layer w7: U7_U_LED_BUFFER43.5@5336.3,1634.37 U4_U_LED_BUFFER43.16@5434.96,1634.37
NetU4_U_LED_BUFFER43_17: U4_U_LED_BUFFER43.17 U7_U_LED_BUFFER43.4 | length 98.7
  Top Layer w7: U7_U_LED_BUFFER43.4@5336.3,1608.78 U4_U_LED_BUFFER43.17@5434.96,1608.78
NetU4_U_LED_BUFFER43_18: U4_U_LED_BUFFER43.18 U7_U_LED_BUFFER43.3 | length 98.7
  Top Layer w7: U7_U_LED_BUFFER43.3@5336.3,1583.19 U4_U_LED_BUFFER43.18@5434.96,1583.19
NetU4_U_LED_BUFFER43_20: U4_U_LED_BUFFER43.20 U7_U_LED_BUFFER43.2 | length 109.3
  Top Layer w7: U7_U_LED_BUFFER43.2@5336.3,1557.6 5370.2,1557.6 5395.79,1532.01 U4_U_LED_BUFFER43.20@5434.96,1532.01
NetU4_U_LED_BUFFER44_12: U4_U_LED_BUFFER44.12 U7_U_LED_BUFFER44.9 | length 98.7
  Top Layer w7: U7_U_LED_BUFFER44.9@7336.3,1736.73 U4_U_LED_BUFFER44.12@7434.96,1736.73
NetU4_U_LED_BUFFER44_13: U4_U_LED_BUFFER44.13 U7_U_LED_BUFFER44.8 | length 98.7
  Top Layer w7: U7_U_LED_BUFFER44.8@7336.3,1711.14 U4_U_LED_BUFFER44.13@7434.96,1711.14
NetU4_U_LED_BUFFER44_14: U4_U_LED_BUFFER44.14 U7_U_LED_BUFFER44.7 | length 98.7
  Top Layer w7: U7_U_LED_BUFFER44.7@7331.97,1687.16 U4_U_LED_BUFFER44.14@7430.63,1687.16
NetU4_U_LED_BUFFER44_15: U4_U_LED_BUFFER44.15 U7_U_LED_BUFFER44.6 | length 98.7
  Top Layer w7: U7_U_LED_BUFFER44.6@7336.3,1659.96 U4_U_LED_BUFFER44.15@7434.96,1659.96
NetU4_U_LED_BUFFER44_16: U4_U_LED_BUFFER44.16 U7_U_LED_BUFFER44.5 | length 98.7
  Top Layer w7: U7_U_LED_BUFFER44.5@7336.3,1634.37 U4_U_LED_BUFFER44.16@7434.96,1634.37
NetU4_U_LED_BUFFER44_17: U4_U_LED_BUFFER44.17 U7_U_LED_BUFFER44.4 | length 98.7
  Top Layer w7: U7_U_LED_BUFFER44.4@7336.3,1608.78 U4_U_LED_BUFFER44.17@7434.96,1608.78
NetU4_U_LED_BUFFER44_18: U4_U_LED_BUFFER44.18 U7_U_LED_BUFFER44.3 | length 98.7
  Top Layer w7: U7_U_LED_BUFFER44.3@7336.3,1583.19 U4_U_LED_BUFFER44.18@7434.96,1583.19
NetU4_U_LED_BUFFER44_20: U4_U_LED_BUFFER44.20 U7_U_LED_BUFFER44.2 | length 109.3
  Top Layer w7: U7_U_LED_BUFFER44.2@7336.3,1557.6 7370.2,1557.6 7395.79,1532.01 U4_U_LED_BUFFER44.20@7434.96,1532.01
NetU4_U_LED_BUFFER51_12: U4_U_LED_BUFFER51.12 U7_U_LED_BUFFER51.9 | length 98.7
  Top Layer w7: U7_U_LED_BUFFER51.9@1336.3,1276.73 U4_U_LED_BUFFER51.12@1434.96,1276.73
NetU4_U_LED_BUFFER51_13: U4_U_LED_BUFFER51.13 U7_U_LED_BUFFER51.8 | length 98.7
  Top Layer w7: U7_U_LED_BUFFER51.8@1336.3,1251.14 U4_U_LED_BUFFER51.13@1434.96,1251.14